# Altium PCB BMS.PcbDoc (part 1 of 2) (continued)
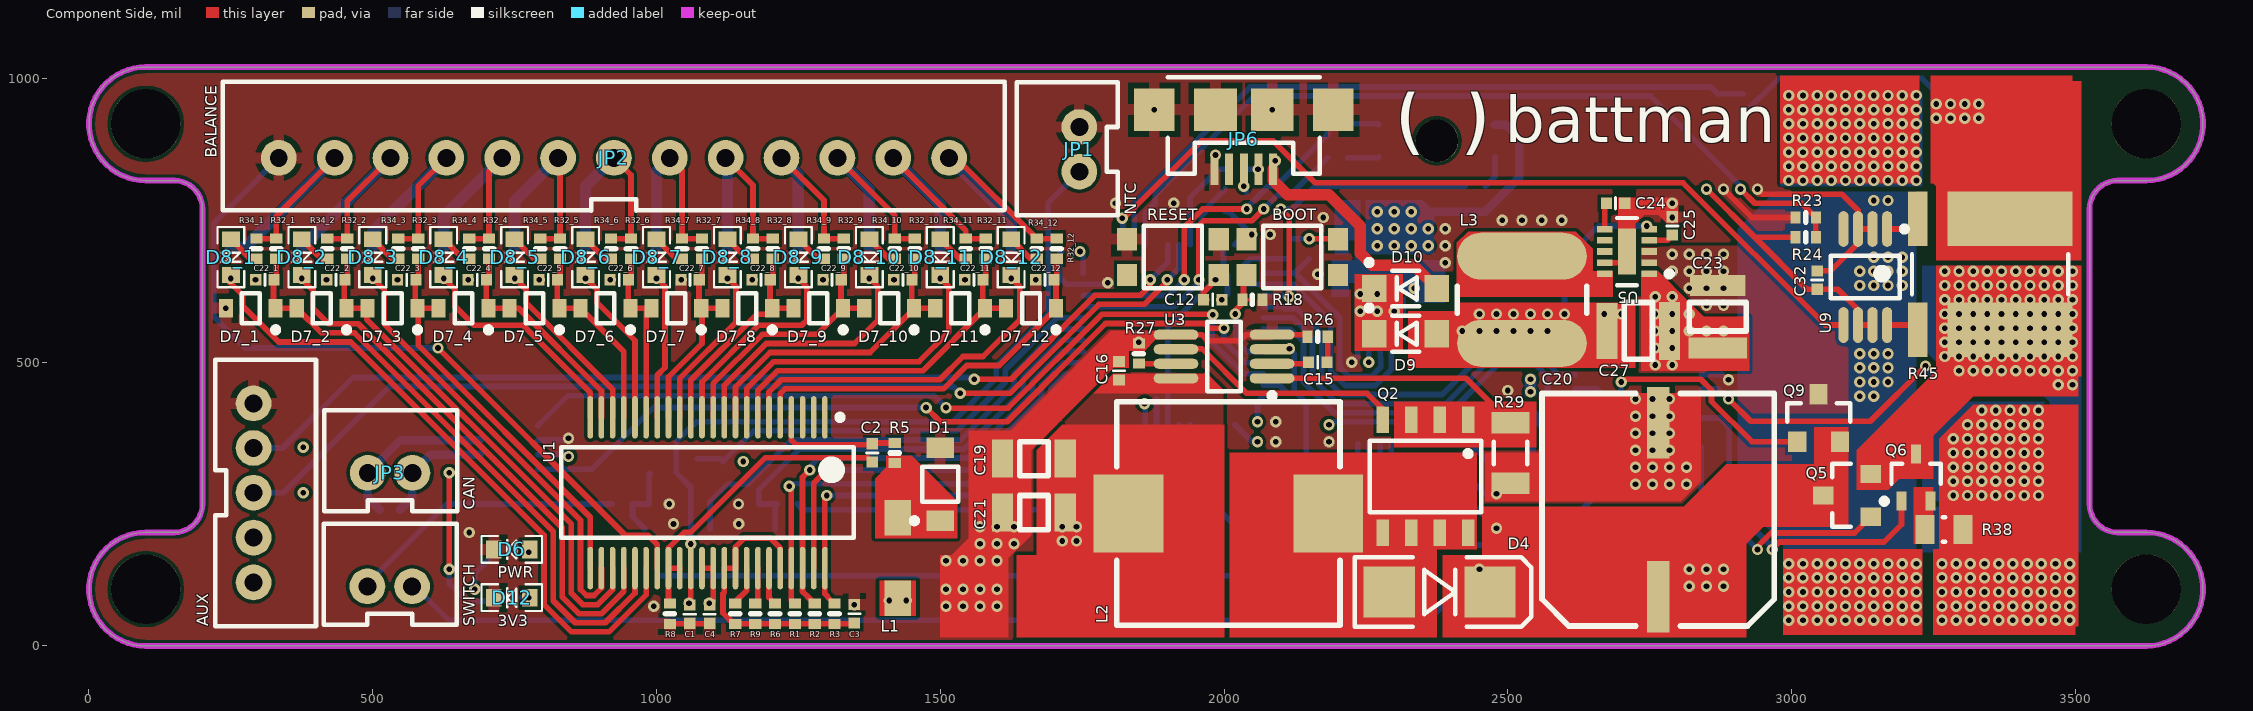
[diagram p0: Component Side view]
## Components (designator, comment, footprint, x,y, rotation, side; value= is the part's Value field where it differs from the comment) (continued)
R19 "1R 1% 0402" R0402[1005] 2200,860 r0 bottom
R20 "1R 1% 0402" R0402[1005] 2442.72,810 r0 bottom
R21 "200K 1% 0402" R0402[1005] 2915,955 r90 bottom
R22 "10K 1% 0402" R0402[1005] 2870,955 r90 bottom
R23 "10K 1% 0402" R0402[1005] 3025,755 r0 top
R24 "10K 0.5% 0402" R0402[1005] 3025,720 r180 top
R25 "68R 1% 0402" R0402[1005] 2200,920 r0 bottom
R26 "4K7 1% 0402" R0402[1005] 2165,545 r0 top
R27 "30K 1% 0402" R0402[1005] 1850,515 r90 top
R28 "5K1 1% 0402" R0402[1005] 2320,290 r0 bottom
R29 "0.026R" RESC1206(3216)_L 2505,340 r90 top
R30 "200K 1% 0402" R0402[1005] 2385,290 r0 bottom
R31 "10K 5% 0603" R0603[1608] 745,165 r180 bottom
R32_1 "100R 1% 0402" R0402[1005] 330,700 r90 top (schematic designator R32)
R32_2 "100R 1% 0402" R0402[1005] 455,700 r90 top (schematic designator R32)
R32_3 "100R 1% 0402" R0402[1005] 580,700 r90 top (schematic designator R32)
R32_4 "100R 1% 0402" R0402[1005] 705,700 r90 top (schematic designator R32)
R32_5 "100R 1% 0402" R0402[1005] 830,700 r90 top (schematic designator R32)
R32_6 "100R 1% 0402" R0402[1005] 955,700 r90 top (schematic designator R32)
R32_7 "100R 1% 0402" R0402[1005] 1080,700 r90 top (schematic designator R32)
R32_8 "100R 1% 0402" R0402[1005] 1205,700 r90 top (schematic designator R32)
R32_9 "100R 1% 0402" R0402[1005] 1330,700 r90 top (schematic designator R32)
R32_10 "100R 1% 0402" R0402[1005] 1455,700 r90 top (schematic designator R32)
R32_11 "100R 1% 0402" R0402[1005] 1580,700 r90 top (schematic designator R32)
R32_12 "100R 1% 0402" R0402[1005] 1705,700 r90 top (schematic designator R32)
R33_1 "50R" RESC0603(1608)_L 250,675 r90 bottom (schematic designator R33)
R33_2 "50R" RESC0603(1608)_L 375,675 r90 bottom (schematic designator R33)
R33_3 "50R" RESC0603(1608)_L 500,675 r90 bottom (schematic designator R33)
R33_4 "50R" RESC0603(1608)_L 625,675 r90 bottom (schematic designator R33)
R33_5 "50R" RESC0603(1608)_L 750,675 r90 bottom (schematic designator R33)
R33_6 "50R" RESC0603(1608)_L 875,675 r90 bottom (schematic designator R33)
R33_7 "50R" RESC0603(1608)_L 1000,675 r90 bottom (schematic designator R33)
R33_8 "50R" RESC0603(1608)_L 1125,675 r90 bottom (schematic designator R33)
R33_9 "50R" RESC0603(1608)_L 1250,675 r90 bottom (schematic designator R33)
R33_10 "50R" RESC0603(1608)_L 1375,675 r90 bottom (schematic designator R33)
R33_11 "50R" RESC0603(1608)_L 1500,675 r90 bottom (schematic designator R33)
R33_12 "50R" RESC0603(1608)_L 1625,675 r90 bottom (schematic designator R33)
R34_1 "68R 1% 0402" R0402[1005] 295,700 r90 top (schematic designator R34)
R34_2 "68R 1% 0402" R0402[1005] 420,700 r90 top (schematic designator R34)
R34_3 "68R 1% 0402" R0402[1005] 545,700 r90 top (schematic designator R34)
R34_4 "68R 1% 0402" R0402[1005] 670,700 r90 top (schematic designator R34)
R34_5 "68R 1% 0402" R0402[1005] 795,700 r90 top (schematic designator R34)
R34_6 "68R 1% 0402" R0402[1005] 920,700 r90 top (schematic designator R34)
R34_7 "68R 1% 0402" R0402[1005] 1045,700 r90 top (schematic designator R34)
R34_8 "68R 1% 0402" R0402[1005] 1170,700 r90 top (schematic designator R34)
R34_9 "68R 1% 0402" R0402[1005] 1295,700 r90 top (schematic designator R34)
R34_10 "68R 1% 0402" R0402[1005] 1420,700 r90 top (schematic designator R34)
R34_11 "68R 1% 0402" R0402[1005] 1545,700 r90 top (schematic designator R34)
R34_12 "68R 1% 0402" R0402[1005] 1670,700 r90 top (schematic designator R34)
R35 "100R 1% 0402" R0402[1005] 745,85 r180 bottom
R36 "18K 1% 0402" R0402[1005] 1230,250 r0 bottom
R37 "3K6 1% 0402" R0402[1005] 1162.28,250 r0 bottom
R38 "1K" RESC0805(2012)_L 3268.46,205 r180 top
R39 "100R 1% 0402" R0402[1005] 2540,430 r270 bottom
R40 "18K 1% 0402" R0402[1005] 940,250 r180 bottom
R41 "10K 1% 0402" R0402[1005] 1005,250 r180 bottom
R42 "10K 1% 0402" R0402[1005] 2450,160 r270 bottom
R43 "18K 1% 0402" R0402[1005] 2395,180 r0 bottom
R44 "120R 1% 0402" R0402[1005] 530,240 r180 bottom
R45 "WSLP2726" WSL2726 3350,655 r90 top
RESET "" SWITCH 1910,685 r180 top
SWITCH "SWITCH" JST-PH-2-PTH-VERT 530,105 r0 top (schematic designator JP4)
U1 "LTC6803HG-3#PBF" LT-G-44_L 1090,270 r270 top
U2 "STM32F303CBT7" STM-LQFP48_L 1910.47,548.46 r90 bottom
U3 "LM3478QMM/NOPB" MUA08A_M 2000,510 r180 top
U4 "AD5272BRMZ-20" MSOP-10 2275,445 r90 bottom
U5 "MAX17502FATB+T" MAXM-T1032N+1_V 2710,695 r180 top
U6 "TPS62293DRVR" WSON-6 2235,660 r270 bottom
U7 "BQ76200PWR" TSSOP-16 2730,440 r0 bottom
U8 "TCAN332GDCNT" SOT-23-8 740,350 r180 bottom
U9 "AD8418" MSOP-8 3130,650 r270 top
X1 "8Mhz, 10pF" ABRA-ABM3B-4_V 1965.86,231 r180 bottom

## Footprints (in the part's own frame and the unit in brackets; to place one, negate y for a bottom-side part, rotate by r counter-clockwise, add the part's x,y. Pads: shape width x height; smd on the part's side, far side on the other; paste and mask are expansions set on the pad)
1206_FUSE [mm]
  rect 1.2x2 smd: 1(-1.3,0) 2(1.3,0)
  silkscreen extent -2.29,-1.27 2.29,1.27, body extent -1.55,-0.9 1.58,0.93, height 0.75
ABRA-ABM3B-4_V [mil] "SMT Crystal, 4-Leads, Body 5.2x3.4mm"
  rect 63x55 smd: 1(-81.5,-47.5) 2(-81.5,47.5) 2(81.5,-47.5) 3(81.5,47.5)
  silkscreen extent -31,-72 31,72, body extent -114,-52 113,51, height 39
C0402[1005X55] [mm] "Chip Capacitor, Body 1.0x0.5mm"
  rect 0.5x0.52 smd: 1(-0.41,0) 2(0.41,0)
  silkscreen extent 0,-0.25 0,0.25, body extent -0.5,-0.25 0.5,0.25, height 0.56
C1206[3216X160] [mm] "Chip Capacitor, Body 3.2x1.6mm"
  rect 0.95x1.7 smd: 1(-1.4,0) 2(1.4,0)
  silkscreen extent -0.64,-0.76 0.64,0.76, body extent -1.6,-0.75 1.6,0.75, height 1.67
C1210[3225X200] [mm] "Chip Capacitor, Body 3.2x2.5mm"
  rect 0.95x2.6 smd: 1(-1.4,0)
  rect 0.95x2.5 smd: 2(1.4,0)
  silkscreen extent -0.64,-1.27 0.64,1.27, body extent -1.6,-1.25 1.6,1.25, height 1.99
C1210[3225X250] [mm] "Chip Capacitor, Body 3.2x2.5mm"
  rect 0.95x2.6 smd: 1(-1.4,0)
  rect 0.95x2.5 smd: 2(1.4,0)
  silkscreen extent -0.64,-1.27 0.64,1.27, body extent -1.6,-1.25 1.6,1.25, height 2.44
"CAP 180UF 50V" [mm]
  rect 1x3.2 smd: 1(0,3.9) 2(0,-3.9)
  silkscreen extent -5.2,-5.2 5.2,5.2, body extent -5.2,-5.45 5.1,5.45, height 10.2
CAPC0603(1608)100_N [mm] "Chip Capacitor, Body 1.6x0.8mm, Height 1.0mm, IPC Medium Density"
  rect 0.9x1 smd: 1(-0.8,0) 2(0.8,0)
  silkscreen extent -0.05,-0.4 0.05,0.4, body extent -0.87,-0.48 0.88,0.47, height 1
DIRECTFET-9 [mm]
  rect 0.7x1.3 smd: 1(-2.25,0)
  rect 1.1x0.85 smd: 2(-0.85,-1.725) 2(-0.85,-0.575) 2(-0.85,0.575) 2(-0.85,1.725) 2(1.95,-1.725) 2(1.95,-0.575) 2(1.95,0.575) 2(1.95,1.725)
  rect 1.1x1.7 smd: 3(-4.5,-2.2) 3(-4.5,0) 3(-4.5,2.2) 3(4.5,-2.2) 3(4.5,0) 3(4.5,2.2)
  silkscreen extent -4.6,-3.7 3.9,3.5, body extent -4.57,-3.55 4.58,3.55, height 0.83
DO-214AA [mm] "DO-214-AA/SMB; 2 C-Bend Leads; Body 5.3 x 3.6 mm, inc. leads (LxW)"
  rect 2.3x2.3 smd: 1(-2.25,0) 2(2.25,0)
  silkscreen extent -3.8,-1.55 4.1,1.55, body extent -2.75,-1.95 2.75,1.95, height 2.45
IND0805 [mm] "Chip Inductor Body 2.0x1.25mm"
  rect 0.7x1.3 smd: 1(-0.95,0) 2(0.95,0)
  silkscreen extent -0.25,-0.64 0.25,0.64, body extent -1,-0.63 1,0.62, height 0.85
JST-PH-2-PTH-VERT [mil]
  round 63 hole 31.5: 1(-39.37,0) 2(39.37,0)
  silkscreen extent -116,-68 118,110, body extent -116,-67 116,110, height 236
JST-PH-5-PTH-VERT [mil]
  round 63 hole 31.5: 1(-157.48,0) 2(-78.74,0) 3(0,0) 4(79,0) 5(158,0)
  silkscreen extent -234,-68 235,110, body extent -236,-69 232,108, height 236
JST-XH-13-PTH-VERT [mil]
  round 63 hole 31.5: 1(-590.55,0) 2(-492.13,0) 3(-393.7,0) 4(-295.28,0) 5(-196.85,0) 6(-98.43,0) 7(0,0) 8(98.43,0) 9(196.85,0) 10(295.28,0) 11(393.7,0) 12(492.13,0) 13(590.55,0)
  silkscreen extent -689,-93 689,134, body extent -687,-94 687,133, height 276
LED0603 [mm]
  rect 0.7x0.8 smd: A(-0.8,0) C(0.8,0)
  silkscreen extent -1.35,-0.6 1.35,0.6, body extent -0.8,-0.4 0.8,0.4, height 0.75
LT-G-44_L [mm] "SOP, 44-Leads, Body 13.1x5.6mm, Pitch 0.5mm, IPC High Density"
  oval 1.9x0.25 smd: 1(-3.375,5.25) 2(-3.375,4.75) 3(-3.375,4.25) 4(-3.375,3.75) 5(-3.375,3.25) 6(-3.375,2.75) 7(-3.375,2.25) 8(-3.375,1.75) 9(-3.375,1.25) 10(-3.375,0.75) 11(-3.375,0.25) 12(-3.375,-0.25) 13(-3.375,-0.75) 14(-3.375,-1.25) 15(-3.375,-1.75) 16(-3.375,-2.25) 17(-3.375,-2.75) 18(-3.375,-3.25) 19(-3.375,-3.75) 20(-3.375,-4.25) 21(-3.375,-4.75) 22(-3.375,-5.25) 23(3.375,-5.25) 24(3.375,-4.75) 25(3.375,-4.25) 26(3.375,-3.75) 27(3.375,-3.25) 28(3.375,-2.75) 29(3.375,-2.25) 30(3.375,-1.75) 31(3.375,-1.25) 32(3.375,-0.75) 33(3.375,-0.25) 34(3.375,0.25) 35(3.375,0.75) 36(3.375,1.25) 37(3.375,1.75) 38(3.375,2.25) 39(3.375,2.75) 40(3.375,3.25) 41(3.375,3.75) 42(3.375,4.25) 43(3.375,4.75) 44(3.375,5.25)
  silkscreen extent -3.5,-6.55 2.02,6.55, body extent -2.8,-6.55 2.8,6.55, height 2
MAXM-T1032N+1_V [mm] "TDFN, 10-Leads, Body 2x3mm, Pitch 0.50mm, Thermal Pad 0.8x2.08mm"
  rect 0.7x0.3 smd: 1(-0.99,1) 2(-0.99,0.5) 3(-0.99,0) 4(-0.99,-0.5) 5(-0.99,-1) 6(0.99,-1) 7(0.99,-0.5) 8(0.99,0) 9(0.99,0.5) 10(0.99,1)
  rect 0.8x2.08 smd: 11(0,0)
  silkscreen extent -2.01,-1.5 0.45,1.5, body extent -1,-1.5 1,1.5, height 0.8
MSOP-8 [mm] "SOP, 8-Leads, Body 3x3mm, Pitch 0.65mm, IPC Medium Density"
  oval 1.6x0.45 smd: 1(-2.15,0.975) 2(-2.15,0.325) 3(-2.15,-0.325) 4(-2.15,-0.975) 5(2.15,-0.975) 6(2.15,-0.325) 7(2.15,0.325) 8(2.15,0.975)
  silkscreen extent -2.27,-1.55 0.95,1.88, body extent -1.55,-1.55 1.55,1.55, height 0.05
MSOP-10 [mm] "TSSOP, 10-Leads, Body 3.00x3.00mm, Pitch 0.50mm, IPC Medium Density"
  oval 1.4x0.3 smd: 1(-2.25,1) 2(-2.25,0.5) 3(-2.25,0) 4(-2.25,-0.5) 5(-2.25,-1) 6(2.25,-1) 7(2.25,-0.5) 8(2.25,0) 9(2.25,0.5) 10(2.25,1)
  silkscreen extent -2.37,-1.55 1.15,1.83, body extent -1.55,-1.55 1.55,1.55, height 1.1
MUA08A_M [mm] "TSOP, 8-Leads, Body 3x3mm, Pitch 0.65mm, IPC Low Density"
  oval 2x0.45 smd: 1(-2.15,0.975) 2(-2.15,0.325) 3(-2.15,-0.325) 4(-2.15,-0.975) 5(2.15,-0.975) 6(2.15,-0.325) 7(2.15,0.325) 8(2.15,0.975)
  silkscreen extent -2.27,-1.55 0.75,1.87, body extent -1.55,-1.55 1.55,1.55, height 1.09
MURA-BLM31-B60-CHIP-2_V3 [mm] "Chip Ferrite Bead, 2-Leads, Body 3.2x1.6mm, Height 1.3mm, 70um Land Pad Thickness, 6A Rated Current"
  rect 1.6x1.2 smd: 1(-1.8,0) 2(1.8,0)
  Component Side region: 2.6,0.825 1,0.825 1,-0.825 2.6,-0.825
  Component Side region: -2.6,-0.825 -1,-0.825 -1,0.825 -2.6,0.825
  body extent -1.6,-0.8 1.6,0.8, height 1.3
ONSC-SOD-123-2-425-04_V [mm] "SOD, 2-Leads, Body 2.69x1.6mm"
  rect 0.91x1.22 smd: 1(-1.635,0) 2(1.635,0)
  silkscreen extent -1.76,-0.8 0.78,1.28, body extent -1.35,-0.8 1.35,0.8, height 1.35
ONSC-SOD-323-2-477-02_V [mm] "SOD, 2-Leads, Body 1.7x1.25mm"
  rect 0.63x0.83 smd: 1(-1.115,0) 2(1.115,0)
  silkscreen extent -1.24,-0.67 0.4,1.09, body extent -0.85,-0.63 0.85,0.63, height 1.06
R0402[1005] [mm] "Chip Resistor, Body 1.0x0.5mm"
  rect 0.45x0.55 smd: 1(-0.45,0) 2(0.45,0)
  silkscreen extent 0,-0.2 0,0.2, body extent -0.5,-0.25 0.5,0.25, height 0.35
R0603[1608] [mm] "Chip Resistor, Body 1.55x0.85mm"
  rect 0.7x0.9 smd: 1(-0.7,0) 2(0.7,0)
  silkscreen extent -0.1,-0.4 0.1,0.4, body extent -0.77,-0.42 0.78,0.43, height 0.45
RESC0603(1608)_L [mm] "Chip Resistor, Body 1.6x0.8mm, IPC High Density"
  rect 0.7x0.9 smd: 1(-0.7,0) 2(0.7,0)
  silkscreen extent -0.05,-0.35 0.05,0.35, body extent -0.85,-0.47 0.85,0.47, height 0.6
RESC0805(2012)_L [mm] "Chip Resistor, Body 2.0x1.3mm, IPC High Density"
  rect 0.85x1.3 smd: 1(-0.85,0) 2(0.85,0)
  silkscreen extent -0.05,-0.55 0.05,0.55, body extent -1.1,-0.67 1.1,0.68, height 0.7
RESC1206(3216)_L [mm] "Chip Resistor, Body 3.2x1.6mm, IPC High Density"
  rect 0.95x1.7 smd: 1(-1.35,0) 2(1.35,0)
  silkscreen extent -0.5,-0.75 0.5,0.75, body extent -1.67,-0.87 1.67,0.87, height 0.75
SDR0604 [mm]
  rrect100% 2.1x5.8 smd: 1(-1.95,0) 2(1.95,0)
  Component Side region: 2,2.9 0.9,2.9 0.9,-2.9 2,-2.9 2.5,-2.766 2.866,-2.4 3,-1.9 3,-1.9 3,1.9 2.866,2.4 2.5,2.766 2,2.9
  Component Side region: -2,2.9 -0.9,2.9 -0.9,-2.9 -2,-2.9 -2.5,-2.766 -2.866,-2.4 -3,-1.9 -3,-1.9 -3,1.9 -2.866,2.4 -2.5,2.766 -2,2.9
  silkscreen extent -0.6,-2.9 0.6,2.9, body extent -2.75,-2.8 2.75,2.8, height 4.55
SOD323 [mm] "SODFL, 2-Leads, Body 1.30x2.57mm, IPC Medium Density"
  rect 0.85x0.4 smd: 1(-1.175,0) 2(1.175,0)
  silkscreen extent -1.55,-0.75 0.95,0.75, body extent -0.95,-0.72 0.95,0.72, height 1.14
SOD-123#1 [mm] "SOD, 2-Leads, Body 2.69x1.6mm"
  rect 0.91x1.22 smd: 1(-1.635,0) 2(1.635,0)
  silkscreen extent -1.76,-0.8 0.78,1.28, body extent -1.35,-0.8 1.35,0.8, height 1.35
SOD-123#2 [mm] "SOD, 2-Leads, Body 2.69x1.6mm"
  rect 1.1x1.22 smd: 1(-1.4,0) 2(1.4,0)
  silkscreen extent -1.76,-0.8 0.6,1.28, body extent -1.75,-0.8 1.75,0.8, height 1.1
SOD-323 [mm] "SODFL, 2-Leads, Body 1.30x2.57mm, IPC Medium Density"
  rect 0.85x0.4 smd: 1(-1.175,0) 2(1.175,0)
  silkscreen extent -1.55,-0.75 0.95,0.75, body extent -0.95,-0.72 0.95,0.72, height 1.14
SOIC127P600X175-8N [mm] "SOIC, 8-Leads, Body 4.90x3.90mm, Pitch 1.27mm, IPC Medium Density"
  rect 1.194x0.56 smd: 1(-2.528,1.905) 1(-2.528,-0.635) 1(-2.528,0.635) 2(-2.528,-1.905) 3(2.527,1.905) 3(2.527,-0.635) 3(2.527,0.635) 3(2.527,-1.905)
  Component Side region: -0.762,-2.032 2.286,-2.032 2.286,2.032 -0.762,2.032
  silkscreen extent -1.6,-2.5 1.6,2.5, body extent -2,-2.5 2,2.5, height 1.75
SOT23-3 [mil]
  rect 32x36 smd: 1(-37.4,-39.37) 2(0,44) 3(38,-39.37)
  silkscreen extent -55,-4 56,28, body extent -58,-50 60,50, height 39
SOT323-3 [mm] "SOT23, 3-Leads, Body 2.00x2.10mm, Pitch 0.65mm, IPC Medium Density"
  rect 0.85x0.45 smd: 1(-1.055,0.65) 2(-1.055,-0.65) 3(1.055,0)
  silkscreen extent -1.18,-1.1 0.63,1.55, body extent -0.63,-1.1 0.63,1.1, height 1
SOT-23-8 [mm] "SOT23, 8-Leads, Body 2.90x1.60mm, Pitch 0.65mm, IPC Medium Density"
  rect 1x0.45 smd mask+0.08: 1(-1.3,0.975) 2(-1.3,0.325) 3(-1.3,-0.325) 4(-1.3,-0.975) 5(1.3,-0.975) 6(1.3,-0.325) 7(1.3,0.325) 8(1.3,0.975)
  silkscreen extent -1.5,-1.5 0.5,1.57, body extent -0.88,-1.5 0.87,1.5, height 1.45
SRP1038A [mil]
  rect 123x137.8 smd: 1(-176,0) 2(176,0)
  silkscreen extent -197,-197 197,197, body extent -205,-197 205,197, height 148
STM-LQFP48_L [mm] "QFP, 48-Leads, Body 7x7mm, Pitch 0.5mm, IPC High Density"
  oval 1.55x0.25 smd: 1(-4.025,2.75) 2(-4.025,2.25) 3(-4.025,1.75) 4(-4.025,1.25) 5(-4.025,0.75) 6(-4.025,0.25) 7(-4.025,-0.25) 8(-4.025,-0.75) 9(-4.025,-1.25) 10(-4.025,-1.75) 11(-4.025,-2.25) 12(-4.025,-2.75) 25(4.025,-2.75) 26(4.025,-2.25) 27(4.025,-1.75) 28(4.025,-1.25) 29(4.025,-0.75) 30(4.025,-0.25) 31(4.025,0.25) 32(4.025,0.75) 33(4.025,1.25) 34(4.025,1.75) 35(4.025,2.25) 36(4.025,2.75)
  oval 0.25x1.55 smd: 13(-2.75,-4.025) 14(-2.25,-4.025) 15(-1.75,-4.025) 16(-1.25,-4.025) 17(-0.75,-4.025) 18(-0.25,-4.025) 19(0.25,-4.025) 20(0.75,-4.025) 21(1.25,-4.025) 22(1.75,-4.025) 23(2.25,-4.025) 24(2.75,-4.025) 37(2.75,4.025) 38(2.25,4.025) 39(1.75,4.025) 40(1.25,4.025) 41(0.75,4.025) 42(0.25,4.025) 43(-0.25,4.025) 44(-0.75,4.025) 45(-1.25,4.025) 46(-1.75,4.025) 47(-2.25,4.025) 48(-2.75,4.025)
  silkscreen extent -4.15,-2.85 2.85,3.55, body extent -3.5,-3.5 3.5,3.5, height 1.6
SWITCH [mm]
  rect 0.9x1 smd: 1(-2.05,0.8) 2(2.05,0.8) 3(-2.05,-0.8) 4(2.05,-0.8)
  silkscreen extent -1.3,-1.4 1.3,1.4, body extent -2.3,-1.4 2.3,1.4, height 1.9
TSSOP-16 [mil]
  rect 58x14 smd: 1(-111,89.57) 2(-111,63.98) 3(-111,38.39) 4(-111,12.8) 5(-111,-12.8) 6(-111,-38.39) 7(-111,-63.98) 8(-111,-89.57) 9(111,-89.57) 10(111,-63.98) 11(111,-38.39) 12(111,-12.8) 13(111,12.8) 14(111,38.39) 15(111,63.98) 16(111,89.57)
  silkscreen extent -70,-100 70,100, body extent -126,-99 126,98, height 48
USB-MICROB [mil]
  rect 14x56 smd: D+(0,105) D-(-25.59,105) GND(52,105) ID(26,105) VBUS(-51.18,105)
  rect 71x75 smd: MT1(-157.48,0) MT2(158,0)
  rect 75x75 smd: P$1(-50,0) P$2(50,0)
  silkscreen extent -134,-57 134,113, body extent -156,-80 157,134, height 112
VISH-DO-214AC-2_N [mm] "DO-214AC, 2-Leads, Body 4.5x2.79mm, IPC Medium Density"
  rect 2.4x1.55 smd: 1(-1.525,0) 2(1.525,0)
  silkscreen extent -3.4,-1.4 2.25,1.4, body extent -2.25,-1.4 2.25,1.39, height 2.29
WSL2726 [mm]
  rect 2.44x5.6 smd: 1(-2.48,-0.89) 2(2.48,-0.89)
  rect 2.44x0.89 smd: 3(-2.48,3.245) 4(2.48,3.245)
  silkscreen extent -0.9,-3.5 0.9,3.5, body extent -3.45,-3.04 3.45,3.56, height 2.95
WSON-6 [mm] "SON, 6-Leads, Body 2x2mm, Pitch 0.65mm, Thermal Pad 1.6x1mm, TI Recommended"
  rect 0.45x0.3 smd: 1(-0.975,0.65) 2(-0.975,0) 3(-0.975,-0.65) 4(0.975,-0.65) 5(0.975,0) 6(0.975,0.65)
  rrect14% 1x0.7 on Bottom Paste: 7(0,-0.45) 7(0,0.45)
  rect 1x1.6 smd paste-0.5: 7(0,0)
  silkscreen extent -1.05,-1.2 1.05,1.2, body extent -1.05,-1.05 1.05,1.05, height 0.81
XZMDKCBDDG45S-9 [mm]
  round 1.9 hole 1.9 paste+0 mask+0: 0(0,0)
  rect 1.4x0.8 smd: 1(2.6,0.725) 2(-2.6,0.725) 3(-2.6,-0.725) 4(2.6,-0.725)
  silkscreen extent -1.6,-1.4 1.6,1.4, body extent -2.6,-1.4 2.6,1.4, height 1.89

## Part data
AUX: library part JST_PH_5_VERT
BOOT RESET: library part DIPT-DTSM-6, "Switch, SPNO Push Button SMD"
C1 C3 C4 C25: library part CAP_1uF_6.3V_0402_10%, "1uF 6.3V 10% 0402 (1005 Metric)"
C2 C16: library part CAP_0.1uF_100V_0402_10%, "0.1uF 100V 10% 0402 (1005 Metric)"
C5 C6: library part CAP_15pF_50V_0402_5%, "15pF 50V 5% 0402 (1005 Metric)"
C7: library part CAP_4.7uF_6.3V_0402_20%, "4.7uF 6.3V 20% 0402 (1005 Metric)"
C8 C9 C10 C11 C14: library part CAP_2.2uF_6.3V_0402_20%, "2.2uF 6.3V 20% 0402 (1005 Metric)"
C12 C13 C17 C22_1 C22_2 C22_3 C22_4 C22_5 C22_6 C22_7 C22_8 C22_9 C22_10 C22_11 C22_12 C31 C32: library part CAP_0.1uF_6.3V_0402_10%, "0.1uF 6.3V 10% 0402 (1005 Metric)"
C15: library part CAP_22nF_50V_0402_10%, "22nF 50V 10% 0402 (1005 Metric)"
C18: library part CAP_1uF_16V_0402_10%, "1uF 16V 10% 0402 (1005 Metric)"
C19 C21: library part CAP_10uF_50V_1206_20%, "10uF 50V 20% 1206 (3216 Metric)"
C20: library part "CAP 180uF 50V", "Polarized Capacitor (Axial)"
C23: library part CAP_4.7uF_100V_1210_10%, "4.7uF 100V 10% 1210 (3225 Metric)"
C24: library part CAP_3.3nF_50V_0402_10%, "3.3nF 50V 10% 0402 (1005 Metric)"
C26 C28: library part CAP_10uF_6.3V_0402_20%, "10uF 6.3V 20% 0402 (1005 Metric)"
C27: library part CAP_47uF_6.3V_1210_10%, "47uF 6.3V 10% 1210 (3225 Metric)"
C29: library part CMP-1035-02708-1, "CAP 470nF 50V ±10% 0603 (1608 Metric) Thickness 1mm SMD"
C30: library part CAP_10nF_50V_0402_10%, "10nF 50V 10% 0402 (1005 Metric)"
D1: library part CMHZ5265B
D3: library part CMP-1060-00237-1, "Zener Voltage Regulator, 500 mW, 2-Pin SOD-123, Pb-Free, Tape and Reel"
D4: library part CDBB560-HF
D5 D15: library part CMP-0548-00253-1, "Transient Voltage Suppressor, 6.40 to 231 V, 45 V Stand-off Voltage, Uni-Directional, -55 to 155 degC, 2-pin DO-214AC, Pb-Free, Tape and Reel"
D6: library part LED_0603
D7_1 D7_2 D7_3 D7_4 D7_5 D7_6 D7_7 D7_8 D7_9 D7_10 D7_11 D7_12: library part CMP-1060-00726-1, "Zener Voltage Regulator, 300 mW, 2-Pin SOD-323, Tape and Reel"
F1 F2: library part "FUSE 1206", "Fuse"
JP1 JP3 SWITCH: library part JST_PH_2_VERT
JP2: library part JST_XH_13_VERT
JP6: library part USB_MICROB_PLUG-SMT
L1: library part MURA-FB-2
L2: "22uH 20% 7A 1038"
L3: library part SDR0604-220YL, "22uH 30% 1.1A 0604"
L4: library part IND_2.2uH_1.7A_0805_20%, "2.2uH 20% 1.7A 0805"
Q1 Q4 Q7 Q8: library part BSS123WQ-7-F, "N-Channel MOSFET"
Q2: library part MOSFET-N, "N-Channel MOSFET"
Q3 Q5 Q6: "N-Channel MOSFET"
Q9: "P-Channel MOSFET"
R1 R2 R3 R6 R7 R9: library part RES_1M_0402_1%, "1M 0.063W 1% 0402 (1005 Metric)"
R4: library part RES_100K_0402_1%, "100K 0.063W 1% 0402 (1005 Metric)"
R5 R8 R32_1 R32_2 R32_3 R32_4 R32_5 R32_6 R32_7 R32_8 R32_9 R32_10 R32_11 R32_12 R35 R39: library part RES_100R_0402_1%, "100R 0.063W 1% 0402 (1005 Metric)"
R10 R11: library part RES_22R_0402_1%, "22R 0.063W 1% 0402 (1005 Metric)"
R12: library part RES_1K5_0402_1%, "1K5 0.063W 1% 0402 (1005 Metric)"
R13 R14 R15 R16 R17 R26: library part RES_4K7_0402_1%, "4K7 0.063W 1% 0402 (1005 Metric)"
R18 R22 R23 R41 R42: library part RES_10K_0402_1%, "10K 0.063W 1% 0402 (1005 Metric)"
R19 R20: library part RES_1R_0402_1%, "1R 0.063W 1% 0402 (1005 Metric)"
R21 R30: library part RES_200K_0402_1%, "200K 0.063W 1% 0402 (1005 Metric)"
R24: library part NTC_10K_0402_0.5%, "NTC 10K 0.5% 0402 (1005 Metric)"
R25 R34_1 R34_2 R34_3 R34_4 R34_5 R34_6 R34_7 R34_8 R34_9 R34_10 R34_11 R34_12: library part RES_68R_0402_1%, "68R 0.063W 1% 0402 (1005 Metric)"
R27: library part RES_30K_0402_1%, "30K 0.063W 1% 0402 (1005 Metric)"
R28: library part RES_5K1_0402_1%, "5K1 0.063W 1% 0402 (1005 Metric)"
R29: library part CMP-1014-00171-1, "1R 0.25W 1% 1206 (3216 Metric)  SMD"
R31: library part RES_10K_0603_5%, "10K 0.25W 5% 0603 (1005 Metric)"
R33_1 R33_2 R33_3 R33_4 R33_5 R33_6 R33_7 R33_8 R33_9 R33_10 R33_11 R33_12: library part CMP-1012-00043-1, "50R 1.5W 5% 0603 (1608 Metric)  SMD"
R36 R40 R43: library part RES_18K_0402_1%, "18K 0.063W 1% 0402 (1005 Metric)"
R37: library part RES_3K6_0402_1%, "3K6 0.063W 1% 0402 (1005 Metric)"
R38: library part CMP-1013-00510-1, "1K 0.125W 1% 0805 (2012 Metric)  SMD"
R44: library part RES_120R_0402_1%, "120R 0.063W 1% 0402 (1005 Metric)"
R45: "Resistor"
U1: library part CMP-0471-00238-1, "Multicell Battery Stack Monitor, 60 V Vin MAX, 44-pin SOP (G-44), -40 to 125 degC, Pb-Free"
U2: library part CMP-0572-00018-2, "ARM Cortex-M4 32-bit MCU, 128 KB Flash, 32 KB Internal RAM, 37 I/Os, 48-pin LQFP, -40 to 105 degC, Tray"
U3: library part CMP-0063-01298-3, "High Efficiency Low-Side N-Channel Controller for Switching Regulator, Automotive Grade 1, 8-pin MSOP, Pb-Free, 1000 Reel"
U4: "Digital Potentiometer ICs 1024p 5v SGL CHI2C 50-TP Mem Digi Rstat"
U5: library part CMP-1264-00005-1, "Ultra-Small, High-Efficiency, Synchronous Step-Down DC-DC Converter, 4.5 to 60 V, 1 A, -40 to 125 degC, 10-Pin TDFN (T1032N+1), RoHS, Tape and Reel"
U6: "Voltage Regulators - Switching Regulators 2.25MHz 1A Step-Down Cnvrtr"
U7: "Battery Management Fast high side NCH drive"
U8: "CAN Interface IC 3.3-V CAN Transceivers with CAN FD (Flexible Data Rate) 8-SOT-23 -40 to 125"
X1: library part ABRA-ABM3B-4

## Free pads (board coordinates)
  round 122.05 hole 122.05 mask+0: 0(100,100) 0(100,920) 0(3625,100) 0(3625,920)

## Via types
v1: diameter 20, hole 10, Component Side to Solder Side, 556 vias
v2: diameter 20, hole 10, Component Side to Solder Side, tented top, 1 vias

## Nets (pads, with @x,y where several pads share a name; then routed paths per layer and width w, separated by ;. In a path a pad name is that pad's centre, name@x,y a point inside that pad or via, vN(x,y) a via of type N, cw(c..) or ccw(c..) an arc to the next point about the centre after c; other vN are vias at no path point)
5V: AUX.5 C27.2 D9.2 D11.1 L3.2 U5.5 | length 264.9
  Solder Side w10: v1(2600,585) 2600,680 2660,740 v1(2745,740)
  other v1: 2420,555 2450,555 2480,555 2510,555 2540,555 2570,555 2450,585 2480,585 2510,585 2540,585 2570,585 2670,585 2700,585
AUX.AUX1: AUX.3 R16.1 U2.31 | length 1847.5
  Component Side w10: v1(1535,445) 1622.63,445 1779.45,601.82 1859.45,601.82 1900,642.37 v1(1900,645)
  Solder Side w10: AUX.3@290,270 R16.1@342.28,270 529.28,457 1523,457 v1(1535,445) ; v1(1900,645) 1900.63,645 1909,653.37 1909,653.7 1920.32,665.01 U2.31@1920.32,706.93
AUX.AUX2: AUX.2 R17.1 U2.30 | length 1786.2
  Component Side w10: v1(1560,470) 1625,470 1772.82,617.82 1852.82,617.82 1870,635 v1(1870,645)
  Solder Side w10: AUX.2@290,348.74 341.02,348.74 R17.1@342.28,350 465.28,473 1557,473 v1(1560,470) ; v1(1870,645) 1900.63,675.63 U2.30@1900.63,706.93 U2.30@1901,706.56
B+: D15.1 R21.1 R45.2 | length 425.9
  Solder Side w10: R21.1@2915,937.28 2977.72,1000 3230.04,1000 D15.1@3290.04,940
  other v1: 3255,930 3280,930 3305,930 3330,930 3255,955 3280,955 3305,955 3330,955
B-: D15.2 F1.2 F2.2
  other v1: 2995,820 3020,820 3045,820 3070,820 3095,820 3120,820 3145,820 3170,820 3195,820 3220,820 2995,845 3020,845 3045,845 3070,845 3095,845 3120,845 3145,845 3170,845 3195,845 3220,845 2995,870 3020,870 3045,870 3070,870 3095,870 3120,870 3145,870 3170,870 3195,870 3220,870 2995,895 3020,895 3045,895 3070,895 3095,895 3120,895 3145,895 3170,895 3195,895 3220,895 2995,920 3020,920 3045,920 3070,920 3095,920 3120,920 3145,920 3170,920 3195,920 3220,920 2995,945 3020,945 3045,945 3070,945 3095,945 3120,945 3145,945 3170,945 3195,945 3220,945 2995,970 3020,970 3045,970 3070,970 3095,970 3120,970 3145,970 3170,970 3195,970 3220,970
C+: C16.2 C19.2 C21.2 D3.1 L2.1 R36.2 U3.8 | length 497.4
  Solder Side w10: R36.2@1247.72,250 1257.72,240 1684.37,240 D3.1@1724.37,200
  other v1: 1715,185 1740,185 1715,210 1740,210
CAN.RX: U2.45 U8.4 | length 1451
  Component Side w10: v1(1475,420) 1500,395 1617.88,395 1791.13,568.24 1965.82,568.24 1974.07,560 v1(2000,560) v1@2004.07,560
  Solder Side w10: U8.4@791.18,311.61 886.61,311.61 995,420 v1(1475,420) ; v1(2000,560) 2000,536.83 2037.57,499.25 U2.45@2068.94,499.25
CAN.TX: U2.46 U8.1 | length 1450.3
  Component Side w10: v1(1510,420) 1511,419 1619.25,419 1784.5,584.24 1979.52,584.24 v1(1980,583.76)
  Solder Side w10: U8.1@791.18,388.39 843.8,441 1489,441 v1(1510,420) ; v1(1980,583.76) 1979,582.76 1979,535.2 2034.63,479.57 U2.46@2068.94,479.57
CELL1: JP2.2 R32_1.2 R33_1.2 R34_1.2 | length 468
  Component Side w10: R34_1.2@295,717.72 R32_1.2@330,717.72 330,757.13 JP2.2@432.87,860
  Solder Side w20: R33_1.2@250,702.56 275.43,702.56 JP2.2@432.87,860
CELL2: JP2.3 R32_2.2 R33_2.2 R34_2.2 | length 431.1
  Component Side w10: R34_2.2@420,717.72 R32_2.2@455,717.72 455,783.7 JP2.3@531.3,860
  Solder Side w20: R33_2.2@375,702.56 531.3,858.86 JP2.3@531.3,860
CELL3: JP2.4 R32_3.2 R33_3.2 R34_3.2 | length 409.1
  Component Side w10: R34_3.2@545,717.72 R32_3.2@580,717.72 580,810.28 JP2.4@629.72,860
  Solder Side w20: R33_3.2@500,702.56 500,730.28 JP2.4@629.72,860
CELL4: JP2.5 R32_4.2 R33_4.2 R34_4.2 | length 387
  Component Side w10: R34_4.2@670,717.72 R32_4.2@705,717.72 705,836.85 JP2.5@728.15,860
  Solder Side w20: R33_4.2@625,702.56 625,756.85 JP2.5@728.15,860
CELL5: JP2.6 R32_5.2 R33_5.2 R34_5.2 | length 367.9
  Component Side w10: R34_5.2@795,717.72 R32_5.2@830,717.72 830,856.57 JP2.6@826.57,860
  Solder Side w20: R33_5.2@750,702.56 750,783.43 JP2.6@826.57,860
CELL6: JP2.7 R32_6.2 R33_6.2 R34_6.2 | length 367.9
  Component Side w10: R34_6.2@920,717.72 R32_6.2@955,717.72 955,830 JP2.7@925,860
  Solder Side w20: R33_6.2@875,702.56 875,810 JP2.7@925,860
CELL7: JP2.8 R32_7.2 R33_7.2 R34_7.2 | length 353.4
  Component Side w10: JP2.8@1023.43,860 1045,838.43 R34_7.2@1045,717.72 R32_7.2@1080,717.72
  Solder Side w20: R33_7.2@1000,702.56 1000,836.57 JP2.8@1023.43,860
CELL8: JP2.9 R32_8.2 R33_8.2 R34_8.2 | length 356
  Component Side w10: JP2.9@1121.85,860 1170,811.85 R34_8.2@1170,717.72 R32_8.2@1205,717.72
  Solder Side w20: JP2.9@1121.85,860 1125,856.85 R33_8.2@1125,702.56
CELL9: JP2.10 R32_9.2 R33_9.2 R34_9.2 | length 378
  Component Side w10: JP2.10@1220.28,860 1295,785.28 R34_9.2@1295,717.72 R32_9.2@1330,717.72
  Solder Side w20: JP2.10@1220.28,860 1250,830.28 R33_9.2@1250,702.56
CELL10: JP2.11 R32_10.2 R33_10.2 R34_10.2 | length 400
  Component Side w10: JP2.11@1318.7,860 1420,758.7 R34_10.2@1420,717.72 R32_10.2@1455,717.72
  Solder Side w20: JP2.11@1318.7,860 1375,803.7 R33_10.2@1375,702.56